# Altium PCB GreenHose-PCB.PcbDoc
Units mil, origin at the board's own origin, x right, y up, seen from the top; angles counter-clockwise.
Board outline 3937.01 x 3937.01 mil, 2 copper layers (Top Layer, Bottom Layer), stack 64.8 mil thick; 90 components, 86 nets, 386 pads, 75 vias.
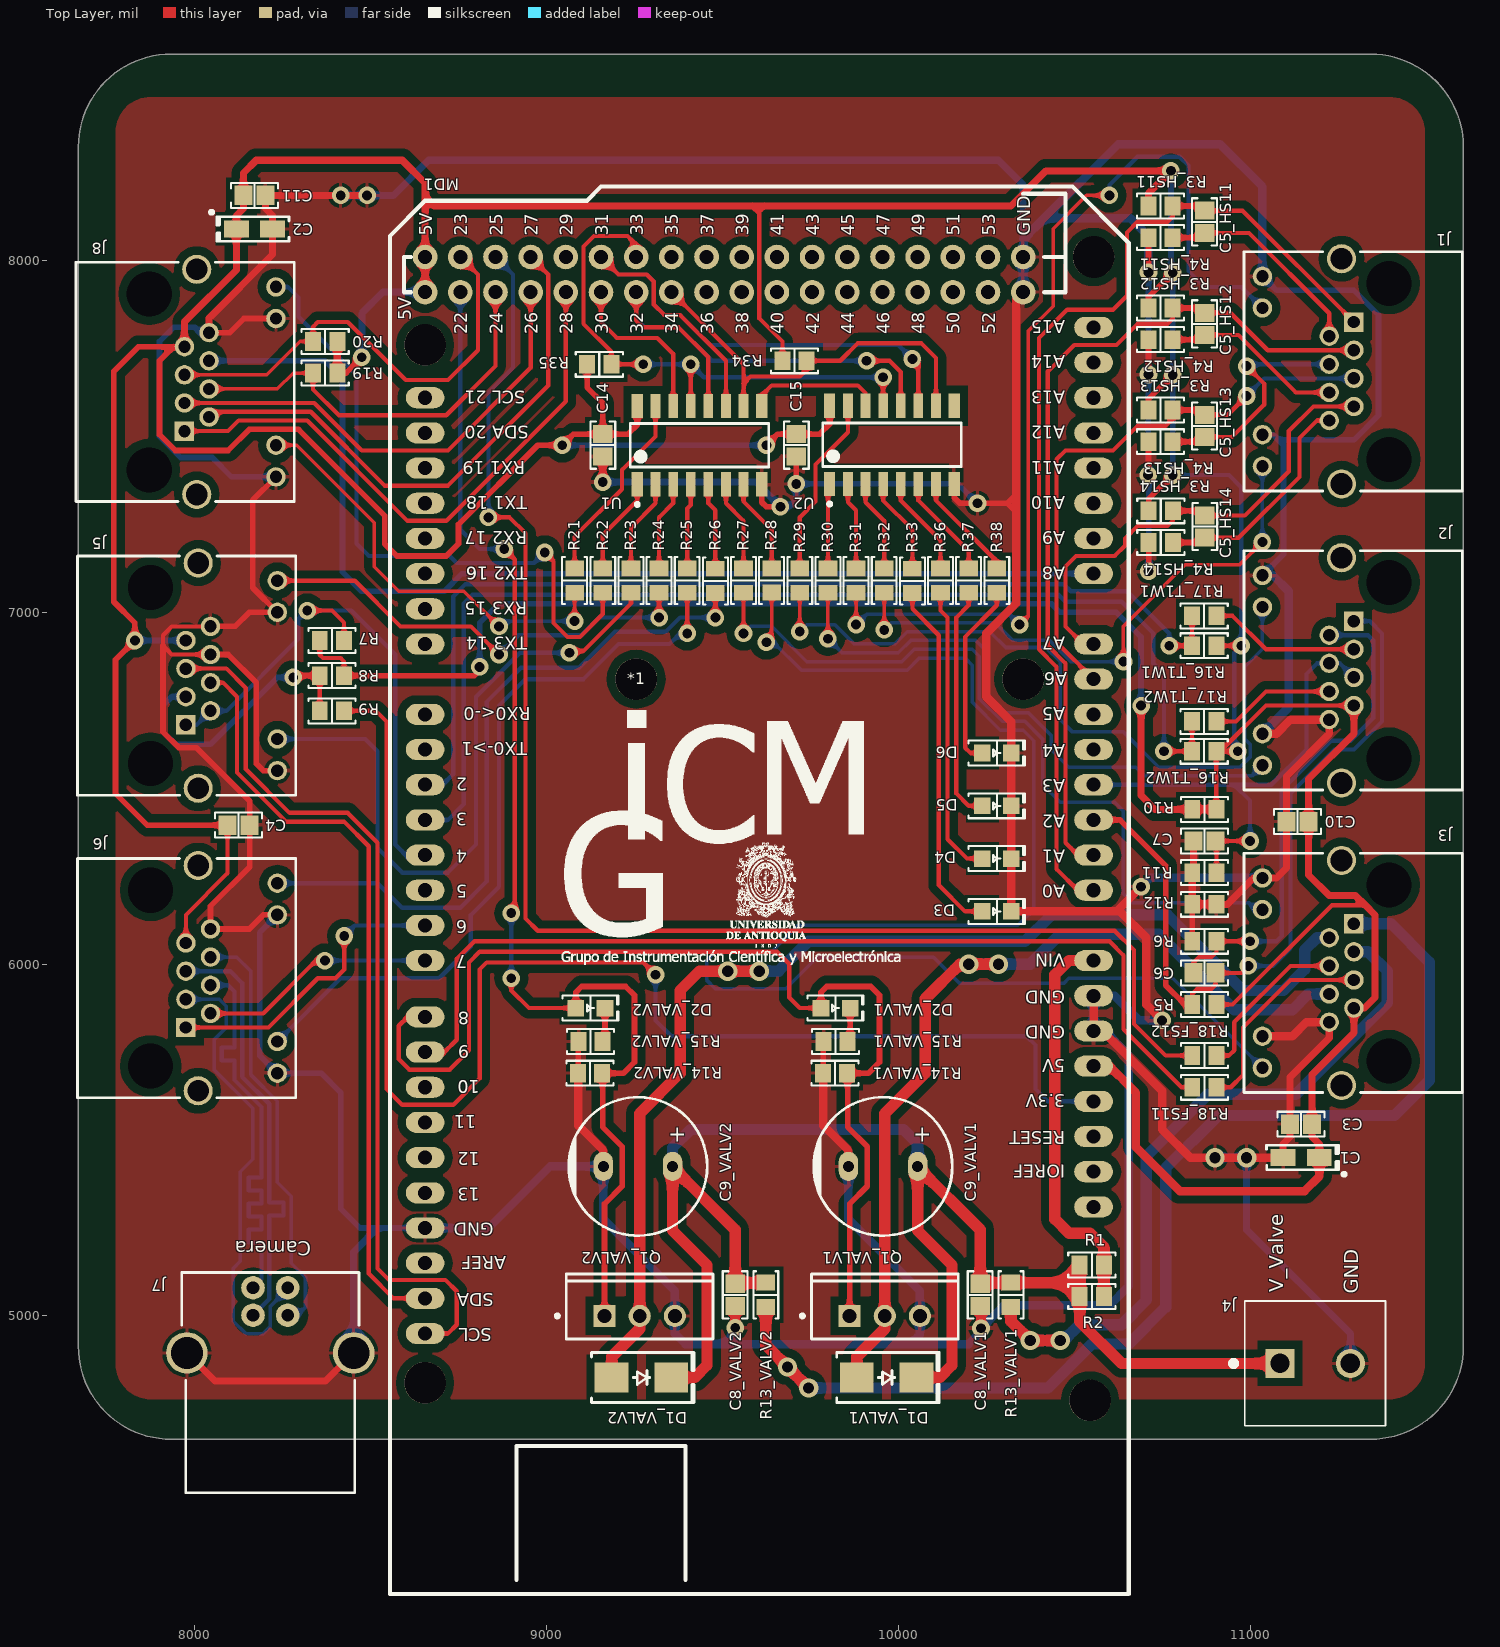
[diagram p0: Top Layer view]
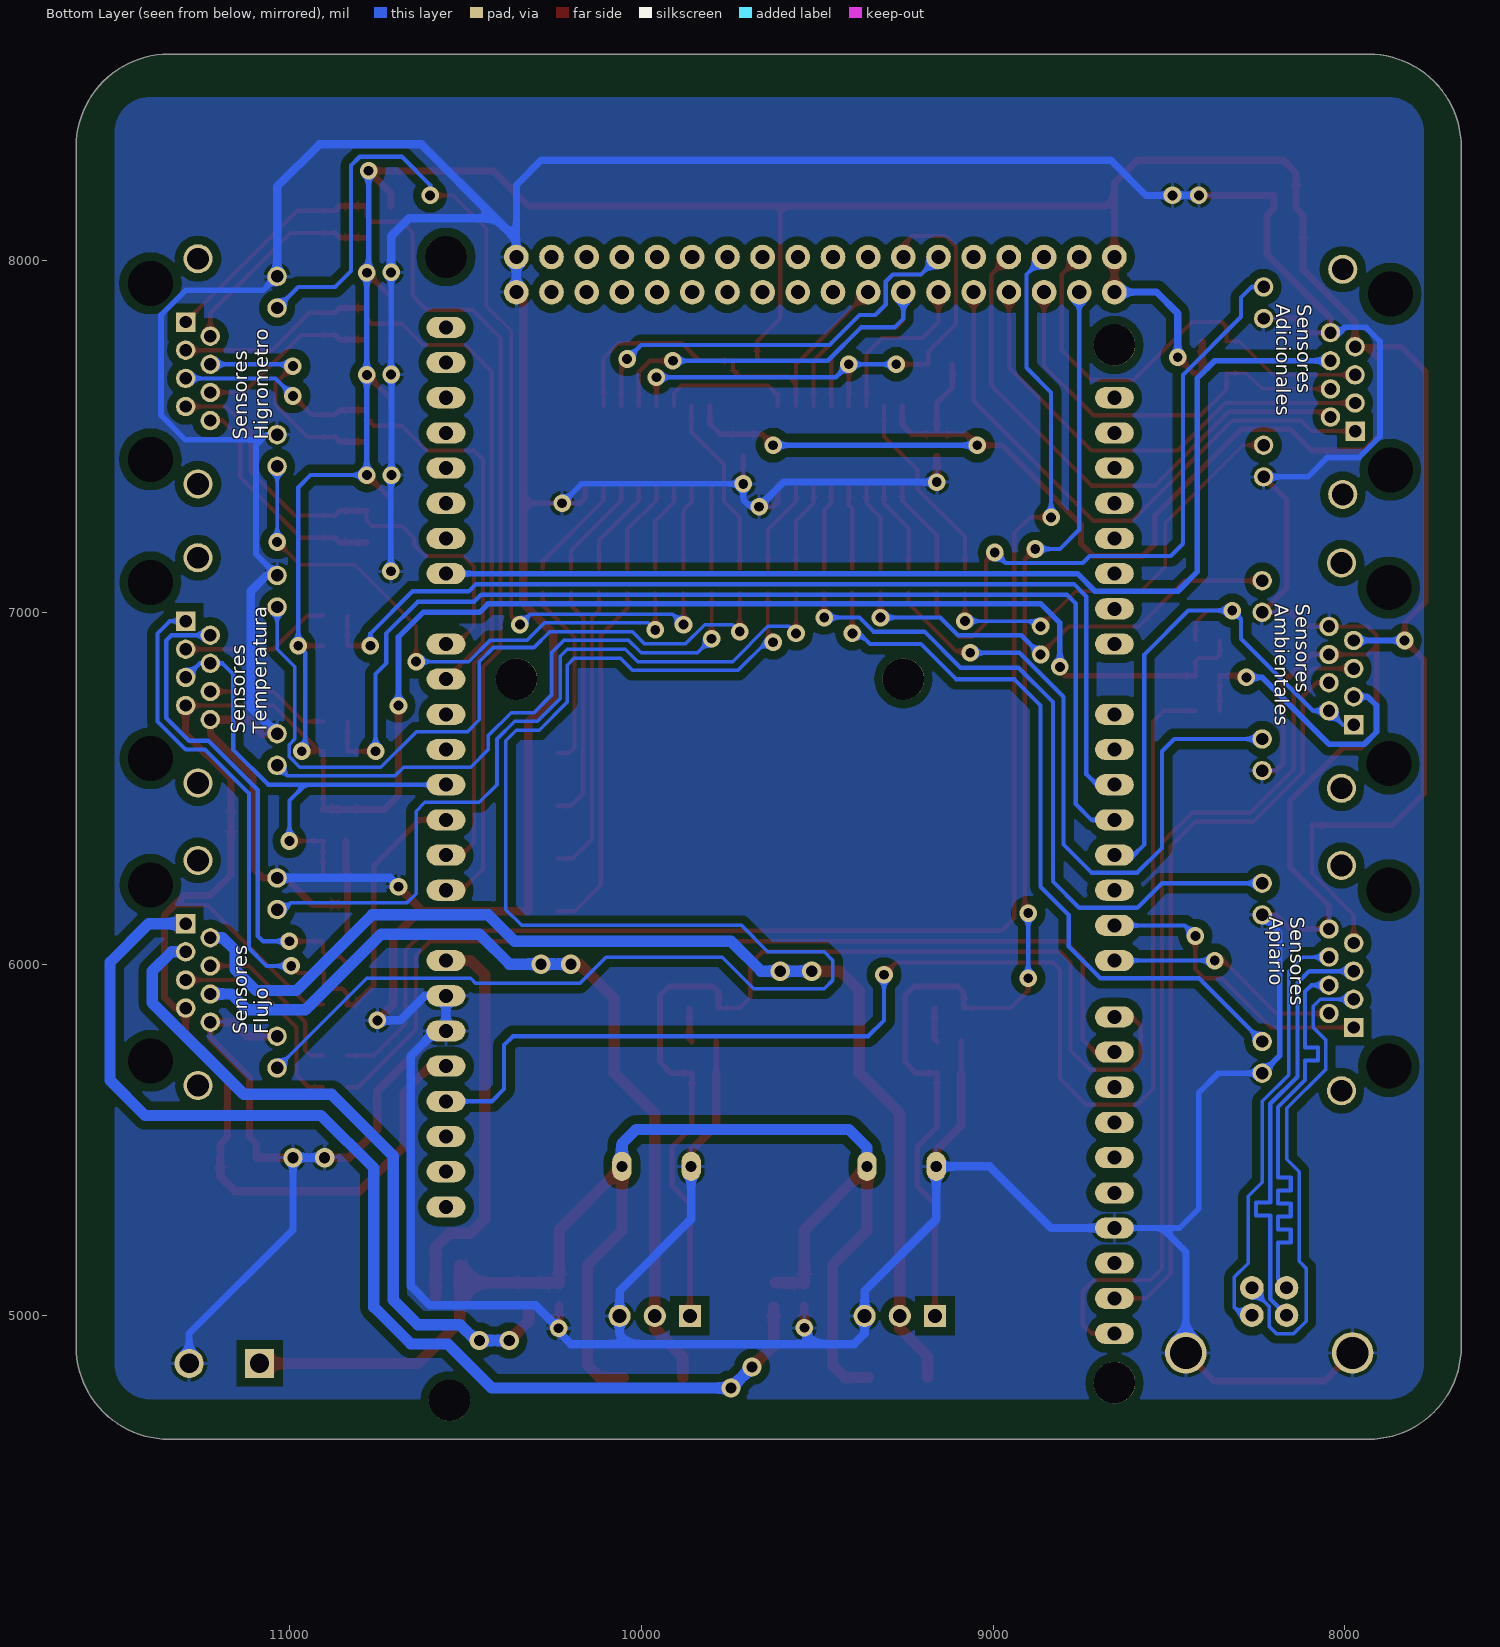
[diagram p1: Bottom Layer view, seen from below]
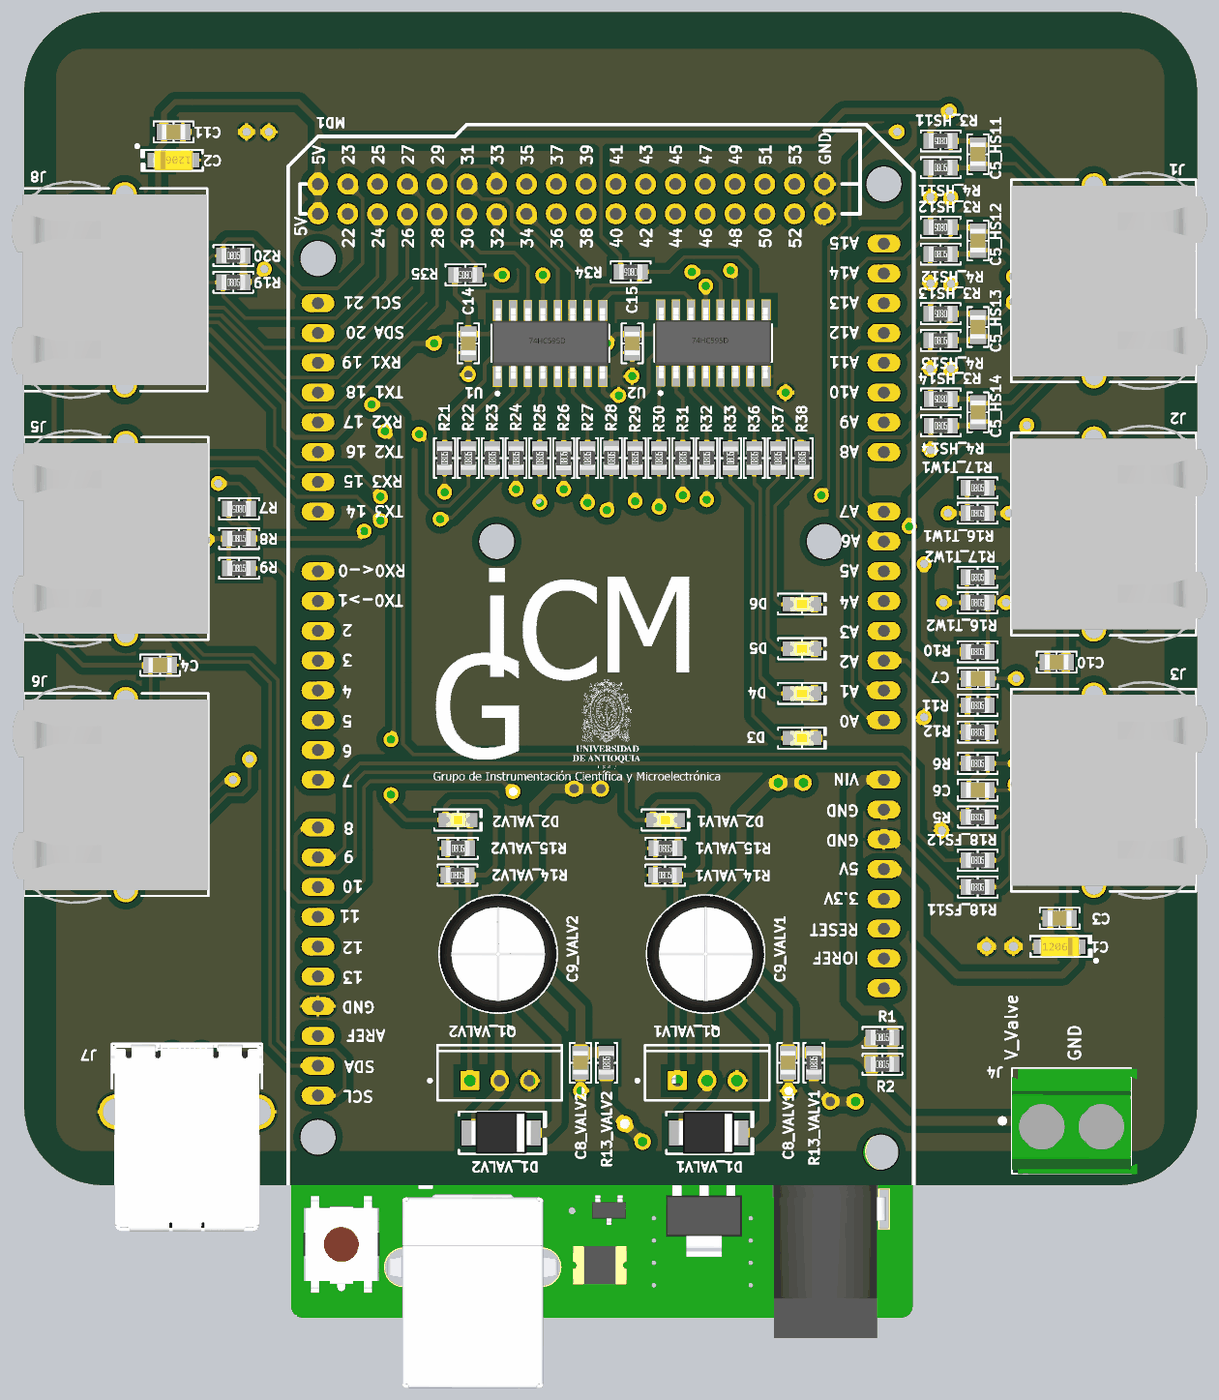
[diagram p2: 3D render of the assembled board from above, using the file's embedded part models]

## Layer stack, top to bottom
Top Solder: solder mask 0.4, Solder Resist, Dk 3.5
Top Layer: signal copper 1.4
Dielectric 1: dielectric 62, FR-4, Dk 4.8
Bottom Layer: signal copper 1.4
Bottom Solder: solder mask 0.4, Solder Resist, Dk 3.5

## Board outline
7669.29,4913.39 ccw(c7933.07,4913.39) 7933.07,4649.61 11342.52,4649.61 ccw(c11342.52,4913.39) 11606.3,4913.39 11606.3,8322.83 ccw(c11342.52,8322.83) 11342.52,8586.61 7933.07,8586.61 ccw(c7933.07,8322.83) 7669.29,8322.83

## Design rules (kind name [scope] priority, off if disabled: settings)
Clearance [All] p1: gap=6 except(24: Arc-Poly Track-Poly SMDPad-Poly THPad-Poly Via-Poly Fill-Poly Poly-Poly)
DiffPairsRouting [All] p1: maxlimit=10 minlimit=10 mostfreqgap=10 toplayer_minwidth=10 toplayer_maxwidth=15 toplayer_prefwidth=15 bottomlayer_minwidth=10 bottomlayer_maxwidth=15 bottomlayer_prefwidth=15 maxuncoupledlength=500
HoleSize [All] p1: absolutevalues=TRUE maxlimit=300 minlimit=1 maxpercent=80.000 minpercent=20.000
MinimumSolderMaskSliver [All] p1: minsoldermaskwidth=0
PlaneClearance [All] p1: clearance=32
PolygonConnect [All] p1: connectstyle=Relief reliefconductorwidth=10 reliefentries=4 polygonreliefangle="90 Angle" airgapwidth=10
RoomDefinition VALV2 [InComponentClass('VALV2')] p1: confinementstyle=ConfineIn formatcopy=TRUE lockcomponents=FALSE outline 9020,4674.45 9675,4674.45 9675,5955 9020,5955
RoomDefinition VALV1 [InComponentClass('VALV1')] p2: confinementstyle=ConfineIn formatcopy=TRUE lockcomponents=FALSE outline 9716.58,4674.45 10371.58,4674.45 10371.58,5955 9716.58,5955
RoomDefinition T1W2 [InComponentClass('T1W2')] p3: confinementstyle=ConfineIn formatcopy=TRUE lockcomponents=FALSE outline 10679.45,6500 10954.45,6500 10954.45,6790 10679.45,6790
RoomDefinition T1W1 [InComponentClass('T1W1')] p4: confinementstyle=ConfineIn formatcopy=TRUE lockcomponents=FALSE outline 10679.45,6800 10954.45,6800 10954.45,7090 10679.45,7090
RoomDefinition HS14 [InComponentClass('HS14')] p5: confinementstyle=ConfineIn formatcopy=TRUE lockcomponents=FALSE outline 10666.65,7098.5 10976.65,7098.5 10976.65,7388.5 10666.65,7388.5
RoomDefinition HS13 [InComponentClass('HS13')] p6: confinementstyle=ConfineIn formatcopy=TRUE lockcomponents=FALSE outline 10666.1,7385 10976.1,7385 10976.1,7675 10666.1,7675
RoomDefinition HS12 [InComponentClass('HS12')] p7: confinementstyle=ConfineIn formatcopy=TRUE lockcomponents=FALSE outline 10666.1,7675 10976.1,7675 10976.1,7965 10666.1,7965
RoomDefinition HS11 [InComponentClass('HS11')] p8: confinementstyle=ConfineIn formatcopy=TRUE lockcomponents=FALSE outline 10666.1,7965 10976.1,7965 10976.1,8255 10666.1,8255
RoutingTopology [All] p1: topology=Daisy_Simple
RoutingVias [All] p1: holewidth=28 width=50 viastyle="Through Hole" minholewidth=28 minwidth=50 maxholewidth=40 maxwidth=60
SilkToSilkClearance [All] p1: silktosilkclearance=0
SilkToSolderMaskClearance [IsPad] p1: minsilkscreentomaskgap=0 clearancetoexposedcopper=TRUE
SolderMaskExpansion SolderMaskExpansion_1 [IsVia] p1: expansion=0 soldermaskfromhole=TRUE
SolderMaskExpansion [All] p2: expansion=4
UnpouredPolygon [All] p1: allowunpoured=TRUE allowshelved=TRUE
Width [All] p1: maxlimit=40 minlimit=8 preferedwidth=16
22 further rules are at their usual default settings.

## Classes and differential pairs
component class AddSensors: C11 J8 R19 R20
net class VALVE_P_[1..2]: VALVE_P_1 VALVE_P_2
net class VALVE_N_[1..2]: VALVE_N_1 VALVE_N_2
net class T_1W_[1..2]: T_1W_1 T_1W_2
net class HALL_E_[1..2]: HALL_E_1 HALL_E_2
net class ONE_WIRE_[1..2]: ONE_WIRE_1 ONE_WIRE_2
net class H_IN_P_[1..4]: H_IN_P_1 H_IN_P_2 H_IN_P_3 H_IN_P_4
net class H_IN_N_[1..4]: H_IN_N_1 H_IN_N_2 H_IN_N_3 H_IN_N_4
component class 0-Hierarchy: C1 C2 C3 C4 J1 J2 J3 J4 R1 R2
channel class 9-FlowSensor: FS11 FS12
net class FS_[1..2]: FS_1 FS_2
component class FS12: R18_FS12
component class FS11: R18_FS11
channel class 8-TemperatureSensor: T1W1 T1W2 T1W3 T1W4
component class T1W2: R16_T1W2 R17_T1W2
component class T1W1: R16_T1W1 R17_T1W1
component class WS_1: C10 J6 J7
component class LS1: C6 R5 R6
channel class 3-HumiditySensor: HS11 HS12 HS13 HS14
component class HS14: C5_HS14 R3_HS14 R4_HS14
component class HS13: C5_HS13 R3_HS13 R4_HS13
component class HS12: C5_HS12 R3_HS12 R4_HS12
component class HS11: C5_HS11 R3_HS11 R4_HS11
component class Microcontroller: *1 MD1
component class THS_1: J5 R7 R8 R9
component class AQS_1: C7 R10 R11 R12
component class VALV1: C8_VALV1 C9_VALV1 D1_VALV1 D2_VALV1 Q1_VALV1 R13_VALV1 R14_VALV1 R15_VALV1
component class VALV2: C8_VALV2 C9_VALV2 D1_VALV2 D2_VALV2 Q1_VALV2 R13_VALV2 R14_VALV2 R15_VALV2
net class VALV_[1..2]: VALV_1 VALV_2
channel class 2-Electrovalves: VALV1 VALV2
component class LDI1: C14 C15 D3 D4 D5 D6 R21 R22 R23 R24 R25 R26 R27 R28 R29 R30 R31 R32 R33 R34 R35 R36 R37 R38 U1 U2
differential pair D_BUS: +D_BUS_P -D_BUS_N

## Components (designator, comment, footprint, x,y, rotation, side; value= is the part's Value field where it differs from the comment)
*1 "LogoGICM" LOGO 9035,6000 r0 top
C1 "10µF" "CAP POL 1206_3216" 11145,5450 r180 top
C2 "10µF" "CAP POL 1206_3216" 8170,8090 r0 top
C3 "0.1µF" "CAP 0805_2012" 11145,5545 r0 top
C4 "0.1µF" "CAP 0805_2012" 8125,6395 r180 top
C5_HS11 "0.1µF" "CAP 0805_2012" 10870.55,8110 r90 top (schematic designator C5)
C5_HS12 "0.1µF" "CAP 0805_2012" 10870.55,7820 r90 top (schematic designator C5)
C5_HS13 "0.1µF" "CAP 0805_2012" 10870.55,7530 r90 top (schematic designator C5)
C5_HS14 "0.1µF" "CAP 0805_2012" 10871.1,7243.5 r90 top (schematic designator C5)
C6 "0.1µF" "CAP 0805_2012" 10870,5975 r0 top
C7 "0.1µF" "CAP 0805_2012" 10870.55,6350 r0 top
C8_VALV1 "0.1µF" "CAP 0805_2012" 10232.91,5060 r90 top (schematic designator C8)
C8_VALV2 "0.1µF" "CAP 0805_2012" 9536.34,5060 r90 top (schematic designator C8)
C9_VALV1 "470µF" "CAP TH ALUM ELEC D10.00mm S5.00mm H14.50mm" 9956.58,5425 r0 top (schematic designator C9)
C9_VALV2 "470µF" "CAP TH ALUM ELEC D10.00mm S5.00mm H14.50mm" 9260,5425 r0 top (schematic designator C9)
C10 "0.1µF" "CAP 0805_2012" 11135,6405 r0 top
C11 "0.1µF" "CAP 0805_2012" 8170,8185 r180 top
C14 "0.1µF" "CAP 0805_2012" 9160,7475 r90 top
C15 "0.1µF" "CAP 0805_2012" 9710,7475 r90 top
D1_VALV1 "#NAME?" "DO214AA SMB" 9966.58,4825 r0 top (schematic designator D1)
D1_VALV2 "#NAME?" "DO214AA SMB" 9270,4825 r0 top (schematic designator D1)
D2_VALV1 "Green" "LED 0805_2012 YELLOW" 9821.58,5875 r0 top (schematic designator D2)
D2_VALV2 "Green" "LED 0805_2012 YELLOW" 9125,5875 r0 top (schematic designator D2)
D3 "Green" "LED 0805_2012 YELLOW" 10280,6150 r0 top
D4 "Green" "LED 0805_2012 YELLOW" 10280,6300 r0 top
D5 "Green" "LED 0805_2012 YELLOW" 10280,6450 r0 top
D6 "Green" "LED 0805_2012 YELLOW" 10280,6600 r0 top
J1 "2-406549-1" TECO-2-406549-1_V 11260,7685 r90 top
J2 "2-406549-1" TECO-2-406549-1_V 11260,6835 r90 top
J3 "2-406549-1" TECO-2-406549-1_V 11260,5975 r90 top
J4 "282841-2" TE_282841-2 11185,4865 r0 top
J5 "2-406549-1" TECO-2-406549-1_V 8010,6820 r270 top
J6 "2-406549-1" TECO-2-406549-1_V 8010,5960 r270 top
J7 "#NAME?" "FCI USB 61729-1011BLF" 8215,4895 r0 top
J8 "2-406549-1" TECO-2-406549-1_V 8005.91,7655 r270 top
MD1 "ARDUINO MEGA R3" ArduinoMega 8655,6710 r90 top
Q1_VALV1 "IRF520NPBF" INTR-TO-220AB-3 9961.58,5000 r90 top (schematic designator Q1)
Q1_VALV2 "IRF520NPBF" INTR-TO-220AB-3 9265,5000 r90 top (schematic designator Q1)
R1 "0R" "RES 0805_2012" 10550,5145 r0 top
R2 "0R" "RES 0805_2012" 10550,5055 r0 top
R3_HS11 "10k" "RES 0805_2012" 10745.55,8155 r180 top (schematic designator R3)
R3_HS12 "10k" "RES 0805_2012" 10745.55,7865 r180 top (schematic designator R3)
R3_HS13 "10k" "RES 0805_2012" 10745.55,7575 r180 top (schematic designator R3)
R3_HS14 "10k" "RES 0805_2012" 10746.1,7288.5 r180 top (schematic designator R3)
R4_HS11 "0R" "RES 0805_2012" 10745.55,8065 r0 top (schematic designator R4)
R4_HS12 "0R" "RES 0805_2012" 10745.55,7775 r0 top (schematic designator R4)
R4_HS13 "0R" "RES 0805_2012" 10745.55,7485 r0 top (schematic designator R4)
R4_HS14 "0R" "RES 0805_2012" 10746.1,7198.5 r0 top (schematic designator R4)
R5 "10k" "RES 0805_2012" 10870,5885 r0 top
R6 "0R" "RES 0805_2012" 10870,6065 r0 top
R7 "10k" "RES 0805_2012" 8390,6920 r180 top
R8 "0R" "RES 0805_2012" 8390,6820 r0 top
R9 "0R" "RES 0805_2012" 8390,6720 r0 top
R10 "0k" "RES 0805_2012" 10870,6440 r0 top
R11 "1K" "RES 0805_2012" 10870,6260 r0 top
R12 "0R" "RES 0805_2012" 10870,6170 r0 top
R13_VALV1 "0R" "RES 0805_2012" 10320,5060 r90 top (schematic designator R13)
R13_VALV2 "0R" "RES 0805_2012" 9623.42,5060 r90 top (schematic designator R13)
R14_VALV1 "1K" "RES 0805_2012" 9820,5690 r0 top (schematic designator R14)
R14_VALV2 "1K" "RES 0805_2012" 9123.42,5690 r0 top (schematic designator R14)
R15_VALV1 "1K" "RES 0805_2012" 9821.58,5780 r0 top (schematic designator R15)
R15_VALV2 "1K" "RES 0805_2012" 9125,5780 r0 top (schematic designator R15)
R16_T1W1 "4.7k" "RES 0805_2012" 10869.45,6905 r0 top (schematic designator R16)
R16_T1W2 "4.7k" "RES 0805_2012" 10869.45,6605 r0 top (schematic designator R16)
R17_T1W1 "0R" "RES 0805_2012" 10869.45,6990 r0 top (schematic designator R17)
R17_T1W2 "0R" "RES 0805_2012" 10869.45,6690 r0 top (schematic designator R17)
R18_FS11 "0R" "RES 0805_2012" 10870,5650 r0 top (schematic designator R18)
R18_FS12 "0R" "RES 0805_2012" 10870,5740 r0 top (schematic designator R18)
R19 "10k" "RES 0805_2012" 8370.91,7680 r0 top
R20 "10k" "RES 0805_2012" 8370.91,7770 r0 top
R21 "1k" "RES 0805_2012" 9080,7090 r90 top
R22 "1k" "RES 0805_2012" 9160,7090 r90 top
R23 "1k" "RES 0805_2012" 9240,7090 r90 top
R24 "1k" "RES 0805_2012" 9320,7090 r90 top
R25 "1k" "RES 0805_2012" 9400,7090 r90 top
R26 "1k" "RES 0805_2012" 9480,7089.45 r90 top
R27 "1k" "RES 0805_2012" 9560,7090 r90 top
R28 "1k" "RES 0805_2012" 9640,7090.55 r90 top
R29 "1k" "RES 0805_2012" 9720,7090 r90 top
R30 "1k" "RES 0805_2012" 9800,7090 r90 top
R31 "1k" "RES 0805_2012" 9880,7090 r90 top
R32 "1k" "RES 0805_2012" 9960,7090 r90 top
R33 "1k" "RES 0805_2012" 10040,7089.45 r90 top
R34 "10k" "RES 0805_2012" 9705,7715 r180 top
R35 "10k" "RES 0805_2012" 9150,7705 r180 top
R36 "1k" "RES 0805_2012" 10120,7090 r90 top
R37 "1k" "RES 0805_2012" 10200,7090 r90 top
R38 "1k" "RES 0805_2012" 10280,7090 r90 top
U1 "74HC595D,112" FP-SOT109-1-MFG 9435,7475 r90 top
U2 "74HC595D,112" FP-SOT109-1-MFG 9981.97,7476.22 r90 top

## Footprints (in the part's own frame and the unit in brackets; to place one, negate y for a bottom-side part, rotate by r counter-clockwise, add the part's x,y. Pads: shape width x height; smd on the part's side, far side on the other; paste and mask are expansions set on the pad)
ArduinoMega [mil] "Arduino Mega Shield"
  oval 60x110 hole 40: 0(0,0) 1(-100,0) 2(-200,0) 3(-300,0) 4(-400,0) 5(-500,0) 6(-600,0) 7(-700,0) 8(-860,0) 9(-960,0) 10(-1060,0) 11(-1160,0) 12(-1260,0) 13(-1360,0) 14(200,0) 15(300,0) 16(400,0) 17(500,0) 18(600,0) 19(700,0) 20(800,0) 21(900,0) 54(-1460,0) 55(-1560,0) 56(-1660,0) 57(-1760,0) 58(-700,-1900) 59(-800,-1900) 60(-900,-1900) 61(-1000,-1900) 62(-1100,-1900) 63(-1200,-1900) 64(-1300,-1900) 65(-1400,-1900) 66(-500,-1900) 67(-400,-1900) 68(-300,-1900) 69(-200,-1900) 70(-100,-1900) 71(0,-1900) 72(100,-1900) 73(200,-1900) 74(400,-1900) 75(500,-1900) 76(600,-1900) 77(700,-1900) 78(800,-1900) 79(900,-1900) 80(1000,-1900) 81(1100,-1900)
  round 70 hole 40: 22(1200,-100) 23(1300,-100) 24(1200,-200) 25(1300,-200) 26(1200,-300) 27(1300,-300) 28(1200,-400) 29(1300,-400) 30(1200,-500) 31(1300,-500) 32(1200,-600) 33(1300,-600) 34(1200,-700) 35(1300,-700) 36(1200,-800) 37(1300,-800) 38(1200,-900) 39(1300,-900) 40(1200,-1000) 41(1300,-1000) 42(1200,-1100) 43(1300,-1100) 44(1200,-1200) 45(1300,-1200) 46(1200,-1300) 47(1300,-1300) 48(1200,-1400) 49(1300,-1400) 50(1200,-1500) 51(1300,-1500) 52(1200,-1600) 53(1300,-1600) 82(1200,0) 83(1300,0) 84(1200,-1700) 85(1300,-1700)
  round 118.11 hole 118.11 unplated: ""(-1950,-1890) ""(-1900,0) ""(100,-600) ""(100,-1700) ""(1050,0) ""(1300,-1900)
  silkscreen extent -2500,-2000 1500,100, body extent -2742,-1997 1510,90
"CAP 0805_2012" [mm] "Chip Capacitor, 2-Leads, Body 2.00x1.20mm, IPC Medium Density"
  rect 1.3x1.4 smd: 1(-0.8,0) 2(0.8,0)
  silkscreen extent -1.7,-0.9 1.7,0.9, body extent -1,-0.64 1,0.64, height 1.26
"CAP POL 1206_3216" [mm] "Molded Capacitor, 2-Leads, Body 3.20x1.6mm, IPC Medium Density"
  rect 1.8x1.23 smd: 1(-1.31,0) 2(1.31,0)
  silkscreen extent -3.22,-0.9 2.5,1.32, body extent -1.72,-0.85 1.71,0.85, height 1.7
"CAP TH ALUM ELEC D10.00mm S5.00mm H14.50mm" [mm] "10mm Diameter 5mm Lead Spacing Aluminum Electrolytic Capacitors Radial, Can"
  oval 1.4x2.1 hole 0.8: 1(2.5,0) 2(-2.5,0)
  silkscreen extent -5,-5 5,5, body extent -5.01,-5 5,5, height 14.5
"DO214AA SMB" [mm] "Molded Diode, 2-Leads, Body 4.31x3.62mm, IPC Medium Density"
  rect 2.45x2.15 smd: 1(-2.15,0) 2(2.15,0)
  silkscreen extent -3.6,-1.8 3.8,1.8, body extent -2.6,-1.8 2.6,1.8, height 2.4
"FCI USB 61729-1011BLF" [mm]
  round 1.7 hole 0.92: 1(1.25,4.7) 2(-1.25,4.7) 3(-1.25,2.71) 4(1.25,2.71)
  round 3 hole 2.3: S(-6.02,0) S(6.02,0)
  silkscreen extent -6.4,-10.1 6.4,5.8, body extent -6.56,-10.18 6.56,5.76, height 11
FP-SOT109-1-MFG [mm]
  rect 1.75x0.8 smd paste-1000 mask+0: 1(-2.825,4.495) 8(-2.825,-4.495) 9(2.825,-4.495) 16(2.825,4.495)
  rect 1.75x0.7 smd paste-1000 mask+0: 2(-2.825,3.175) 3(-2.825,1.905) 4(-2.825,0.635) 5(-2.825,-0.635) 6(-2.825,-1.905) 7(-2.825,-3.175) 10(2.825,-3.175) 11(2.825,-1.905) 12(2.825,-0.635) 13(2.825,0.635) 14(2.825,1.905) 15(2.825,3.175)
  silkscreen extent -4.4,-5 1.58,5, body extent -3.83,-5.95 3.83,5.95, height 0.25
INTR-TO-220AB-3 [mm] "FM, 3-Leads, Body 10.55x4.7mm, Pitch 2.54mm"
  rect 1.6x1.6 hole 1: 1(0,2.54)
  round 1.6 hole 1: 2(0,0) 3(0,-2.54)
  silkscreen extent -1.67,-5.3 3.03,6.07, body extent -1.67,-5.28 3.03,5.28, height 19.3
"LED 0805_2012 YELLOW" [mm] "Chip Diode, 2-Leads, Body 2.00x1.25mm, IPC Medium Density"
  rect 1.2x1.2 smd: 1(-1.05,0) 2(1.05,0)
  silkscreen extent -2.03,-0.9 2.03,0.9, body extent -1,-0.62 1,0.63, height 0.9